# Altium PCB CH32V307V-R2-1v1.PcbDoc (part 3 of 3)
Units mm, origin at the board's own origin, x right, y up, seen from the top; angles counter-clockwise.
Board outline 80 x 115 mm, 2 copper layers (Top Layer, Bottom Layer); 122 components, 134 nets, 559 pads, 721 vias.
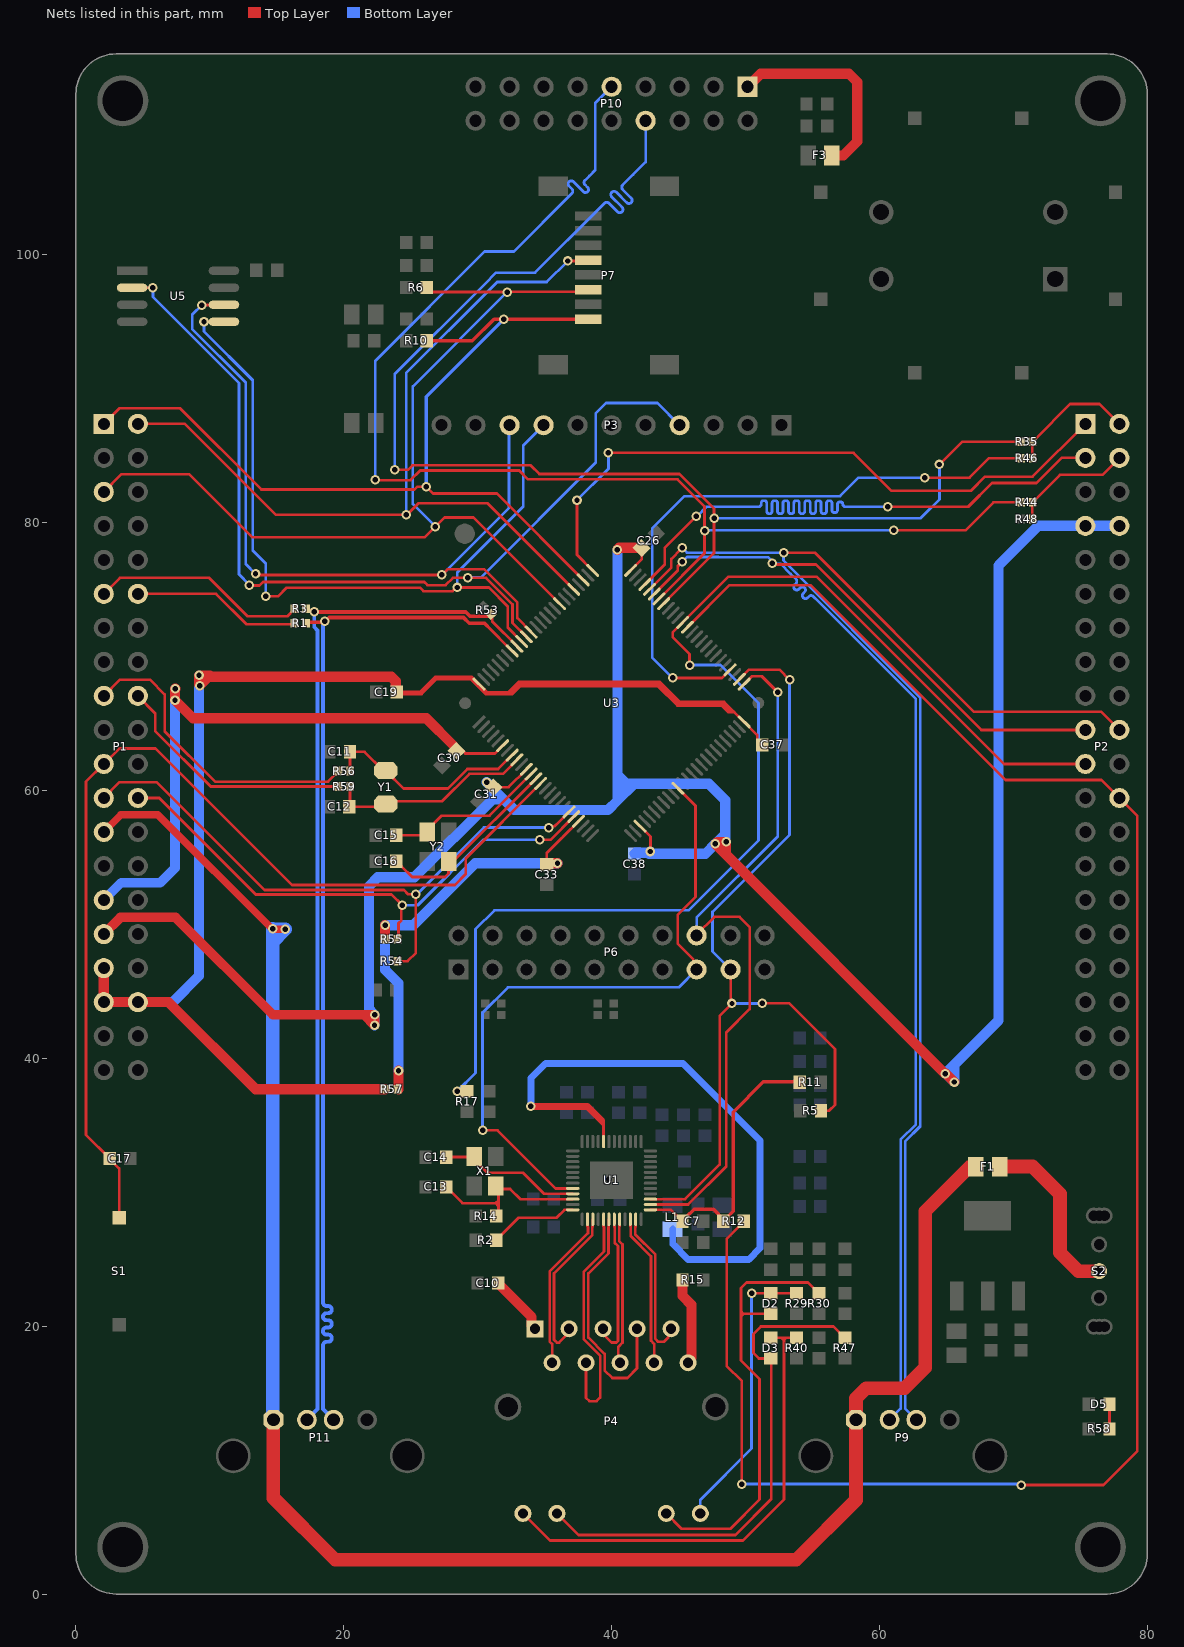
[diagram p3: the nets of this part, all layers, seen from the top]

## Via types
v1: diameter 0.711, hole 0.406, Top Layer to Bottom Layer, tented both sides, 507 vias
v2: diameter 0.61, hole 0.305, Top Layer to Bottom Layer, tented both sides, 214 vias

## Nets (pads, with @x,y where several pads share a name; then routed paths per layer and width w, separated by ;. In a path a pad name is that pad's centre, name@x,y a point inside that pad or via, vN(x,y) a via of type N, cw(c..) or ccw(c..) an arc to the next point about the centre after c; other vN are vias at no path point) (continued)
LED_green_n: D3.K P4.12 R47.1 | length 38.6
  Top Layer w0.203: P4.12@35.915,6.017 37.523,4.409 49.252,4.409 51.923,7.08 51.923,17.589 50.991,17.589 50.587,17.992 50.587,19.42 51.144,19.976 56.554,19.976 57.402,19.129 R47.1@57.427,19.129
LED_green_p: D3.A P4.11 R40.1 | length 36.1
  Top Layer w0.203: P4.11@33.375,6.017 35.395,3.997 49.814,3.997 52.873,7.056 52.873,18.932 ; D3.A@51.886,19.129 52.676,19.129 ; R40.1@53.817,19.129 53.027,19.129 ; 52.676,19.129 52.873,19.129 ; 52.676,19.129 52.873,18.932 ; 52.873,18.932 52.873,18.975 ; 52.873,18.975 52.873,19.129 ; 52.873,18.975 53.027,19.129 ; 52.873,19.129 53.027,19.129
LED_yellow_n: D2.K P4.13 R30.1 | length 33.9
  Top Layer w0.203: P4.13@44.085,6.017 45.228,4.875 48.869,4.875 51.049,7.055 51.049,16.059 49.658,17.451 49.658,20.716 ; D2.K@51.886,20.921 49.863,20.921 ; R30.1@55.495,22.461 55.47,22.461 54.67,23.261 50.079,23.261 49.658,22.84 49.658,21.127 ; 49.658,20.716 49.658,20.921 ; 49.658,20.716 49.863,20.921 ; 49.658,20.921 49.658,21.127 ; 49.658,20.921 49.863,20.921 ; 49.658,21.127 49.863,20.921
LED_yellow_p: D2.A P4.14 R29.2 | length 21.4
  Top Layer w0.203: v1(50.453,22.449) 51.392,22.449 51.404,22.461 R29.2@53.817,22.461
  Bottom Layer w0.203: P4.14@46.625,6.017 46.625,7.04 50.453,10.867 v1(50.453,22.449)
MAC_125M: P6.15 U1.44 U3.36 | length 49.8
  Top Layer w0.203: v1(30.368,34.627) 31.479,34.627 35.82,30.286 U1.44@37.1,30.286 ; U3.36@44.95,60.168 46.258,58.859 46.258,52.043 44.942,50.726 44.942,48.551 46.102,47.391 46.102,46.883 P6.15@46.35,46.634
  Bottom Layer w0.203: v1(30.368,34.627) 30.368,43.406 32.262,45.3 45.016,45.3 P6.15@46.35,46.634
MDI0_n: P4.3 U1.3 | length 12
  Top Layer w0.203: P4.3@36.823,19.807 36.823,19.519 36.075,18.771 35.925,18.771 35.793,18.903 35.704,18.992 35.704,23.949 38.565,26.811 38.565,27.411 38.597,27.442 38.597,27.983 U1.3@38.6,27.986
MDI0_p: P4.2 U1.2 | length 12
  Top Layer w0.203: P4.2@35.553,17.267 35.559,17.273 35.559,18.67 35.373,18.856 35.373,24.086 38.235,26.948 38.235,27.411 38.203,27.442 38.203,27.983 U1.2@38.2,27.986
MDI1_n: P4.7 U1.6 | length 18.3
  Top Layer w0.203: U1.6@39.8,27.986 39.797,27.983 39.797,27.442 39.765,27.411 39.765,25.436 38.26,23.931 38.26,19.152 39.479,17.932 39.479,16.701 40.052,16.129 41.173,16.129 41.903,16.859 P4.7@41.903,19.807
MDI1_p: P4.4 U1.5 | length 18.3
  Top Layer w0.203: P4.4@38.093,17.267 38.093,14.645 38.336,14.402 38.87,14.402 39.149,14.681 39.149,17.796 37.93,19.015 37.93,24.068 39.435,25.573 39.435,27.411 39.403,27.442 39.403,27.983 U1.5@39.4,27.986
MDI2_n: P4.6 U1.8 | length 11
  Top Layer w0.203: U1.8@40.6,27.986 40.597,27.983 40.597,27.442 40.565,27.411 40.565,26.356 40.813,26.108 40.813,18.768 40.499,18.454 40.499,17.402 P4.6@40.633,17.267
MDI2_p: P4.5 U1.7 | length 11
  Top Layer w0.203: P4.5@39.363,19.807 39.567,19.603 39.567,19.204 39.989,18.782 40.36,18.782 40.483,18.905 40.483,25.971 40.235,26.219 40.235,27.411 40.203,27.442 40.203,27.983 U1.7@40.2,27.986
MDI3_n: P4.9 U1.11 | length 11.5
  Top Layer w0.203: U1.11@41.8,27.986 41.797,27.983 41.797,27.442 41.765,27.411 41.765,26.852 43.264,25.353 43.264,19.052 43.48,18.836 43.902,18.836 44.239,19.173 44.239,19.603 P4.9@44.443,19.807
MDI3_p: P4.8 U1.10 | length 11.5
  Top Layer w0.203: U1.10@41.4,27.986 41.403,27.983 41.403,27.442 41.435,27.411 41.435,26.715 42.934,25.216 42.934,18.915 43.179,18.67 43.179,17.273 P4.8@43.173,17.267
NetC10_1: C10.1 P4.1 | length 4.5
  Top Layer w0.762: C10.1@31.526,23.212 31.526,23.187 34.029,20.684 34.029,20.061 P4.1@34.283,19.807
NetD5_K: D5.K R58.2 | length 1.8
  Top Layer w0.254: R58.2@77.178,12.329 D5.K@77.178,14.168
NetF1_2: F1.2 S2.1 | length 13.2
  Top Layer w1.016: F1.2@68.971,31.92 71.435,31.92 73.485,29.87 73.485,25.486 74.865,24.106 S2.1@76.403,24.106
NetF3_1: F3.1 P10.1 | length 15.6
  Top Layer w0.762: P10.1@50.16,112.547 51.125,113.512 57.724,113.512 58.335,112.901 58.335,108.457 57.297,107.419 F3.1@56.447,107.419
NetP2_2: P2.2 R35.1 R46.1 | length 9.5
  Top Layer w0.203: R46.1@71.416,84.811 R35.1@71.416,86.037 71.416,86.062 71.615,86.26 71.64,86.26 74.243,88.864 76.435,88.864 P2.2@77.919,87.38
NetP2_4: P2.4 R44.1 R48.1 | length 9.1
  Top Layer w0.203: R48.1@71.416,80.265 R44.1@71.416,81.518 71.416,81.543 71.615,81.741 71.64,81.741 73.468,83.569 76.648,83.569 P2.4@77.919,84.84
NetP4_10: P4.10 R15.1 | length 6.6
  Top Layer w0.762: R15.1@45.292,23.455 45.292,22.268 45.959,21.602 45.959,17.651 45.713,17.405 P4.10@45.713,17.267
NRST: C17.2 P1.21 S1.2 U3.14 | length 76.6
  Top Layer w0.203: S1.2@3.233,28.106 3.233,31.77 2.515,32.488 C17.2@2.515,32.513 2.515,32.538 0.762,34.291 0.762,60.661 P1.21@2.081,61.98 3.242,63.141 5.941,63.141 16.145,52.937 28.301,52.937 29.112,53.748 29.112,54.937 U3.14@34.697,60.522
PB6: P1.11 R3.2 | length 16.2
  Top Layer w0.203: P1.11@2.081,74.68 3.277,75.876 9.959,75.876 12.823,73.012 15.787,73.012 R3.2@16.336,73.562
PB7: P1.12 R1.2 | length 12.7
  Top Layer w0.203: P1.12@4.621,74.68 10.469,74.68 12.737,72.413 R1.2@16.336,72.413
PC14: P1.17 R56.2 | length 23.2
  Top Layer w0.203: P1.17@2.081,67.06 3.299,68.278 5.527,68.278 6.628,67.177 6.628,64.424 10.395,60.657 18.823,60.657 19.394,61.228 19.419,61.228 19.618,61.427 R56.2@19.618,61.452
PC15: P1.18 R59.2 | length 18.6
  Top Layer w0.203: P1.18@4.621,67.06 5.917,65.765 5.917,64.447 10.071,60.293 R59.2@19.618,60.293
PHY2_int: P2.21 R17.2 U3.64 | length 95.5
  Top Layer w0.203: v1(28.473,37.541) 28.73,37.541 28.847,37.425 29.205,37.783 R17.2@29.205,37.589 ; v1(45.822,69.367) 45.822,70.191 44.562,71.451 44.562,71.801 U3.64@45.303,72.542 48.729,75.968 55.306,75.968 69.294,61.98 P2.21@75.379,61.98
  Bottom Layer w0.203: v1(28.473,37.541) 29.837,38.905 29.837,49.643 31.246,51.052 45.734,51.052 50.961,56.279 50.961,66.533 48.127,69.367 v1(45.822,69.367)
PHY2_reset: P2.24 R12.2 U3.63 | length 140.7
  Top Layer w0.203: U3.63@45.657,72.189 48.801,75.333 54.855,75.333 69.41,60.777 76.582,60.777 P2.24@77.919,59.44 79.243,58.117 79.243,10.651 76.725,8.134 v1(70.582,8.134) ; v1(49.721,8.213) 49.721,15.908 48.592,17.038 48.592,26.524 49.875,27.808 R12.2@49.875,27.833
  Bottom Layer w0.203: v1(49.721,8.213) 70.502,8.213 v1(70.582,8.134)
PHYRSTB: C7.2 R11.1 R12.1 U1.13 | length 20.8
  Top Layer w0.178: U1.13@42.9,28.686 44.439,28.686 44.891,28.234 44.916,28.234 C7.2@45.292,27.858
  Top Layer w0.254: C7.2@45.292,27.858 45.63,28.196 46.173,28.738 47.608,28.738 48.424,27.921 48.424,27.946 48.673,28.196 48.698,28.196 49.08,28.577 49.08,35.989 51.333,38.242 54.035,38.242 R11.1@54.061,38.216
PVIN: F1.1 P1.25 P9.1 P11.1 | length 140.2
  Top Layer w0.559: P1.25@2.081,56.9 3.366,58.185 6.121,58.185 14.644,49.663 v1(14.685,49.663) 14.697,49.651 15.618,49.651 v1(15.629,49.639)
  Top Layer w1.016: P11.1@14.747,13.012 14.747,7.174 19.365,2.556 53.795,2.556 58.253,7.014 P9.1@58.253,13.012 58.253,14.614 59.015,15.377 61.887,15.377 63.42,16.91 63.42,28.58 66.743,31.903 F1.1@67.191,31.903
  Bottom Layer w1.016: P11.1@14.747,13.012 14.685,13.074 14.685,48.695 ; 14.685,48.695 v1(15.629,49.639) 14.709,49.639 v1(14.685,49.663) 14.685,48.695
REGOUT: L1.1 U1.32 | length 48.2
  Top Layer w0.203: 38.898,35.489 39.397,34.991 39.397,33.79 U1.32@39.4,33.786 39.4,35.21 ; 39.224,35.534 39.4,35.357 39.4,35.21 ; 39.243,35.367 39.4,35.21
  Top Layer w0.508: v1(33.978,36.408) 38.201,36.408 39.243,35.367
  Bottom Layer w0.508: v1(33.978,36.408) 33.978,38.523 35.077,39.622 45.322,39.622 51.088,33.857 51.088,25.824 50.243,24.98 45.715,24.98 44.571,26.123 L1.1@44.571,27.252
RGMII_MDC: P6.16 U1.14 U3.51 | length 54.2
  Top Layer w0.203: U1.14@42.9,29.086 45.718,29.086 48.561,31.929 48.561,41.939 50.31,43.689 50.31,49.797 49.545,50.562 47.68,50.562 46.35,49.232 P6.16@46.35,49.174 ; U3.51@49.899,67.946 49.906,67.946 50.49,68.53 51.21,68.53 v1(52.407,67.334)
  Bottom Layer w0.203: P6.16@46.35,49.174 46.35,50.515 52.407,56.572 v1(52.407,67.334)
RGMII_MDIO: P6.17 R5.2 U1.15 U3.52 | length 64.7
  Top Layer w0.203: U1.15@42.9,29.486 45.488,29.486 48.066,32.064 48.066,43.173 v1(48.989,44.096) 48.89,44.195 P6.17@48.89,46.634 ; U3.52@49.546,68.3 50.271,69.025 52.526,69.025 v1(53.288,68.263) ; v1(51.255,44.122) 53.243,44.122 56.682,40.684 56.682,36.527 56.241,36.086 R5.2@55.635,36.086
  Bottom Layer w0.203: P6.17@48.89,46.634 47.54,47.985 47.54,50.935 53.288,56.684 v1(53.288,68.263) ; v1(48.989,44.096) v1@51.255,44.096
RSET: R2.1 U1.48 | length 6.7
  Top Layer w0.203: R2.1@31.389,26.416 31.389,26.441 33.043,28.094 35.877,28.094 36.469,28.686 U1.48@37.1,28.686
SDIO_CLK: P1.2 P7.5 U3.80 | length 66.1
  Top Layer w0.203: P1.2@4.621,87.38 8.131,87.38 14.917,80.594 v1(24.663,80.594) 24.74,80.594 25.593,81.447 30.741,81.447 U3.80@37.172,75.017 ; v1(36.731,99.538) 38.231,99.538 38.272,99.579 P7.5@38.25,99.601
  Bottom Layer w0.203: v1(24.663,80.594) 24.663,91.041 24.663,91.16 30.901,97.398 31.464,97.961 35.154,97.961 v1(36.731,99.538)
SDIO_CMD: P1.5 P7.3 R6.1 U3.83 | length 73.2
  Top Layer w0.203: P1.5@2.081,82.3 3.398,83.617 8.453,83.617 13.172,78.899 26.043,78.899 v1(26.848,79.704) 27.524,80.381 29.687,80.381 U3.83@36.111,73.957 ; R6.1@26.192,97.549 26.524,97.217 v1(32.196,97.217) 32.228,97.249 38.098,97.249 P7.3@38.25,97.401
  Bottom Layer w0.203: v1(26.848,79.704) 25.158,81.393 25.158,90.178 v1(32.196,97.217)
SDIO_D2: P1.1 P7.1 R10.1 U3.78 | length 74.2
  Top Layer w0.203: P1.1@2.081,87.38 3.245,88.544 7.779,88.544 13.848,82.475 25.277,82.475 25.478,82.677 v1(26.162,82.677) 26.668,82.171 31.432,82.171 U3.78@37.87,75.733
  Top Layer w0.254: R10.1@26.192,93.583 29.602,93.583 31.219,95.201 36.775,95.201 ; v1(31.954,95.195) 36.769,95.195 36.775,95.201 ; P7.1@38.25,95.201 36.775,95.201
  Bottom Layer w0.254: v1(26.162,82.677) 26.162,89.404 v1(31.954,95.195)
SPI3_MISO: P3.4 U3.90 U5.2 | length 74.6
  Top Layer w0.203: U5.2@4.196,97.541 v1@5.751,97.542 ; v1(12.938,75.311) 13.709,75.311 13.963,75.566 26.013,75.566 26.247,75.331 27.603,75.331 28.149,75.878 v1(29.27,75.878) 30.626,75.878 32.603,73.901 32.603,72.515 U3.90@33.636,71.482
  Bottom Layer w0.203: v1(5.752,97.543) 5.752,96.856 12.173,90.435 12.173,76.148 12.938,75.383 v1(12.938,75.311) ; v1(29.27,75.878) 29.289,75.897 30.233,75.897 38.811,84.474 38.811,88.157 39.586,88.933 43.422,88.933 P3.4@45.08,87.274
SPI3_MOSI: P3.8 U3.91 U5.5 | length 60.9
  Top Layer w0.203: v1(9.564,95.017) 9.572,95.009 11.047,95.009 U5.5@11.054,95.001 ; v1(14.173,74.498) 15.097,74.498 15.743,75.144 25.692,75.144 25.952,74.884 28.13,74.884 28.405,75.159 30.842,75.159 32.247,73.754 32.247,72.164 U3.91@33.282,71.128
  Bottom Layer w0.203: v1(9.564,95.017) 9.564,94.27 13.204,90.631 13.204,77.929 14.173,76.96 v1(14.173,74.498) ; v1(28.473,75.159) 28.473,76.272 33.4,81.199 33.4,85.755 P3.8@34.92,87.274
SPI3_SCK: P3.9 U3.89 U5.6 | length 60.6
  Top Layer w0.203: v1(9.409,96.247) 9.421,96.259 11.042,96.259 U5.6@11.054,96.271 ; v1(13.411,76.175) 13.487,76.098 v1(27.33,76.098) ; v1@27.357,76.125 27.745,76.513 30.494,76.513 32.958,74.049 32.958,72.867 U3.89@33.99,71.835
  Bottom Layer w0.203: v1(9.409,96.247) 8.683,95.521 8.683,94.453 12.681,90.454 12.681,76.905 v1(13.411,76.175) ; v1(27.33,76.098) 32.339,81.107 32.339,87.234 P3.9@32.38,87.274
SWDCK: P2.1 U3.76 | length 49.3
  Top Layer w0.203: v1(37.416,81.681) 37.416,77.601 U3.76@38.586,76.431 ; v1(39.762,85.215) 58.055,85.215 60.892,82.378 66.82,82.378 67.871,83.429 71.428,83.429 P2.1@75.379,87.38
  Bottom Layer w0.203: v1@37.275,81.539 39.762,84.026 v1(39.762,85.215)
SWDIO: P2.3 U3.72 | length 49.3
  Top Layer w0.203: U3.72@42.475,75.371 43.962,76.858 43.962,78.12 v1(46.305,80.464) ; v1(60.634,81.185) 66.631,81.185 68.398,82.952 71.714,82.952 73.602,84.84 P2.3@75.379,84.84
  Bottom Layer w0.203: v1(46.305,80.464) 46.367,80.464 47.088,81.185 50.887,81.185 50.989,81.185 ccw(c50.989,81.368) 51.172,81.368 51.172,81.461 cw(c51.355,81.461) 51.355,81.644 51.395,81.644 cw(c51.395,81.461) 51.578,81.461 51.578,80.849 ccw(c51.761,80.849) 51.761,80.666 51.802,80.666 ccw(c51.802,80.849) 51.985,80.849 51.985,81.461 cw(c52.167,81.461) 52.167,81.644 52.208,81.644 cw(c52.208,81.461) 52.391,81.461 52.391,80.849 ccw(c52.574,80.849) 52.574,80.666 52.615,80.666 ccw(c52.615,80.849) 52.797,80.849 52.797,81.461 cw(c52.98,81.461) 52.98,81.644 53.021,81.644 cw(c53.021,81.461) 53.204,81.461 53.204,80.849 ccw(c53.387,80.849) 53.387,80.666 53.427,80.666 ccw(c53.427,80.849) 53.61,80.849 53.61,81.461 cw(c53.793,81.461) 53.793,81.644 53.834,81.644 cw(c53.834,81.461) 54.017,81.461 54.017,80.849 ccw(c54.199,80.849) 54.199,80.666 54.24,80.666 ccw(c54.24,80.849) 54.423,80.849 54.423,81.461 cw(c54.606,81.461) 54.606,81.644 54.647,81.644 cw(c54.647,81.461) 54.829,81.461 54.829,80.849 ccw(c55.012,80.849) 55.012,80.666 55.053,80.666 ccw(c55.053,80.849) 55.236,80.849 55.236,81.461 cw(c55.419,81.461) 55.419,81.644 55.459,81.644 cw(c55.459,81.461) 55.642,81.461 55.642,80.849 ccw(c55.825,80.849) 55.825,80.666 55.866,80.666 ccw(c55.866,80.849) 56.049,80.849 56.049,81.461 cw(c56.231,81.461) 56.231,81.644 56.272,81.644 cw(c56.272,81.461) 56.455,81.461 56.455,80.932 ccw(c56.638,80.932) 56.638,80.749 56.679,80.749 ccw(c56.679,80.932) 56.861,80.932 56.861,81.368 cw(c57.044,81.368) 57.044,81.55 57.085,81.55 cw(c57.085,81.368) 57.268,81.368 ccw(c57.451,81.368) 57.451,81.185 59.977,81.185 v1(60.634,81.185)
U1_RX/DVP_D1: P10.9 R44.2 U3.69 | length 99.2
  Top Layer w0.203: v1(22.352,83.21) 22.391,83.172 24.994,83.172 25.71,83.887 33.106,83.887 33.758,83.234 44.913,83.234 46.94,81.207 v1(46.94,79.407) 46.94,77.715 U3.69@43.536,74.31 ; v1(61.051,79.425) 66.424,79.425 68.517,81.518 R44.2@70.566,81.518
  Bottom Layer w0.203: v1(22.352,83.21) 22.352,92.084 30.519,100.252 32.697,100.252 36.965,104.52 37.037,104.592 ccw(c36.875,104.753) 37.037,104.915 36.822,105.13 cw(c36.983,105.292) 36.822,105.453 cw(c36.983,105.292) 37.145,105.453 37.885,104.713 ccw(c38.047,104.875) 38.209,105.036 38.007,105.238 cw(c38.168,105.4) 38.007,105.562 38.344,105.899 38.779,106.334 38.779,111.327 P10.9@40,112.547 ; v1(46.94,79.407) 46.967,79.434 v1@61.047,79.434
U1_TX/DVP_D0: P10.8 R35.2 U3.68 | length 101.7
  Top Layer w0.203: v1(23.81,83.94) 24.792,83.94 25.134,84.282 33.962,84.282 34.605,83.639 45.075,83.639 47.652,81.062 v1(47.652,80.336) 47.652,77.72 U3.68@43.889,73.957 ; v1(64.479,84.342) 66.174,86.037 R35.2@70.566,86.037 70.389,86.214 R35.2@70.35,86.174
  Bottom Layer w0.203: v1(23.81,83.94) 23.81,91.096 30.502,97.788 31.383,98.669 34.281,98.669 39.05,103.437 39.463,103.85 cw(c39.633,103.679) 39.804,103.85 40.438,103.216 ccw(c40.609,103.386) 40.78,103.557 40.009,104.328 cw(c40.18,104.498) 40.009,104.669 cw(c40.18,104.498) 40.35,104.669 41.121,103.898 ccw(c41.292,104.069) 41.462,104.24 40.828,104.874 cw(c40.998,105.044) 40.828,105.215 41.613,106 42.54,106.927 P10.8@42.54,110.007 ; v1(47.652,80.336) 63.084,80.336 64.479,81.731 v1(64.479,84.342)
UART1_TX_2: R46.2 U3.54 | length 46
  Top Layer w0.203: v1(44.552,68.402) 48.234,68.402 U3.54@48.839,69.007 ; v1(63.367,83.356) 66.718,83.356 68.173,84.811 R46.2@70.566,84.811
  Bottom Layer w0.203: v1(44.552,68.402) 43.026,69.928 43.026,79.558 45.442,81.975 57.058,81.975 58.439,83.356 v1(63.367,83.356)
USB1D_n: P2.19 P9.2 U3.70 | length 110.1
  Top Layer w0.203: U3.70@43.182,74.664 44.938,76.42 44.938,76.745 45.268,77.075 v1(45.272,77.075) ; v1(52.003,76.951) 52.086,76.868 55.259,76.868 67.607,64.52 P2.19@75.379,64.52
  Bottom Layer w0.203: v1(45.272,77.075) 45.625,77.428 47.956,77.428 47.961,77.422 51.669,77.422 v1@52.071,77.02 ; v1(52.003,76.951) 52.015,76.939 52.607,76.939 53.368,76.179 53.763,75.784 cw(c53.601,75.622) 53.763,75.46 53.662,75.36 ccw(c53.824,75.198) 53.985,75.036 54.086,75.137 cw(c54.248,74.975) 54.409,75.137 cw(c54.248,74.975) 54.409,74.814 54.309,74.713 ccw(c54.47,74.551) 54.309,74.39 ccw(c54.47,74.551) 54.632,74.39 54.733,74.491 cw(c54.894,74.329) 55.056,74.491 55.441,74.105 62.719,66.828 62.719,35.068 61.588,33.937 61.588,13.847 P9.2@60.753,13.012
USB1D_p: P2.20 P9.3 U3.71 | length 112.1
  Top Layer w0.203: U3.71@42.828,75.017 44.463,76.652 44.463,77.295 45.195,78.026 v1@45.236,78.026 ; v1(52.853,77.752) 55.197,77.752 67.076,65.873 76.566,65.873 P2.20@77.919,64.52
  Bottom Layer w0.203: v1(45.272,78.111) 45.625,77.758 48.092,77.758 48.098,77.752 v1(52.853,77.752) 52.841,77.74 52.841,77.172 63.049,66.964 63.049,34.931 61.918,33.8 61.918,13.847 P9.3@62.753,13.012
USB2D_n: P11.2 R3.1 R53.1 U3.92 | length 78.3
  Top Layer w0.203: 30.594,72.967 R53.1@31.064,72.967 ; R53.1@31.087,73.024 31.087,72.617 U3.92@32.929,70.775
  Top Layer w0.279: R3.1@17.186,73.486 R3.1@17.259,73.412 ; R3.1@17.264,73.408 R3.1@17.259,73.412 ; R53.1@31.064,72.967 31.026,73.006 29.432,73.006 29.107,73.331 17.807,73.331 v1(17.805,73.33) 17.723,73.412 R3.1@17.259,73.412
  Bottom Layer w0.279: P11.2@17.247,13.012 18.044,13.809 18.044,71.951 17.805,72.189 v1(17.805,73.33)
USB2D_p: P11.3 R1.1 U3.93 | length 79.3
  Top Layer w0.203: 30.488,72.509 30.507,72.49 ; 30.696,72.3 U3.93@32.575,70.421
  Top Layer w0.279: R1.1@17.186,72.489 17.255,72.558 18.506,72.558 v1(18.576,72.628) ; v1@18.459,72.628 v1(18.576,72.628) ; 30.696,72.3 30.507,72.49 29.374,72.49 28.939,72.925 18.914,72.925 18.617,72.628 v1(18.576,72.628)
  Bottom Layer w0.279: v1(18.576,72.628) 18.493,72.545 18.493,72.332 18.45,72.289 18.45,71.08 18.45,22.67 18.45,21.772 ccw(c18.717,21.772) 18.717,21.505 18.839,21.505 cw(c18.839,21.239) 18.839,20.972 18.717,20.972 ccw(c18.717,20.705) 18.717,20.438 18.839,20.438 cw(c18.839,20.172) 18.839,19.905 18.717,19.905 ccw(c18.717,19.638) 18.717,19.372 18.839,19.372 cw(c18.839,19.105) 18.839,18.838 18.717,18.838 ccw(c18.717,18.572) 18.45,18.572 18.45,17.898 18.45,13.809 P11.3@19.247,13.012
VBAT: C30.2 P1.29 U3.6 | length 46.5
  Top Layer w0.203: C30.2@28.423,62.965 28.886,62.965 29.082,62.769 31.287,62.769 U3.6@31.868,63.35
  Top Layer w0.762: v1(7.417,67.6) 7.4,67.582 v1(7.4,66.734) 8.743,65.39 26.164,65.39 C30.2@28.193,63.362
  Bottom Layer w0.711: P1.29@2.081,51.82 3.389,53.128 6.316,53.128 7.4,54.212 v1(7.4,66.734) v1@7.4,67.6
VDD: C26.2 C31.1 C38.2 P1.31 P2.7 P2.8 U3.11 U3.28 U3.75 | length 194.2
  Top Layer w0.203: v1(30.666,60.609) 31.03,60.246 C31.1@31.19,60.246 31.208,60.228 31.722,60.228 31.74,60.246 32.299,60.246 U3.11@33.636,61.582 ; U3.75@41.414,76.431 42.244,77.261 42.244,77.554 42.262,77.571 42.262,78.085 C26.2@42.244,78.103 ; U3.28@42.121,57.34 42.904,56.557 42.904,55.468 v1(42.879,55.443)
  Top Layer w0.711: P1.31@2.081,49.28 3.328,50.527 7.445,50.527 14.701,43.27 21.492,43.27 ; v1(47.748,56.012) 47.906,56.171 v1(48.548,56.171) 48.548,55.211 49.009,54.75 ; 21.492,43.27 v1(22.297,42.465) 22.303,42.472 v1(22.303,43.27) 21.492,43.27
  Top Layer w0.762: v1(40.434,77.977) 40.577,78.121 42.107,78.121 42.143,78.085 C26.2@42.262,78.085 ; v1(47.748,56.012) 48.548,55.211 64.899,38.86 v1(64.921,38.86) 64.966,38.86 v1(65.595,38.231)
  Bottom Layer w0.762: v1(22.297,42.465) v1@22.297,43.277 ; v1(22.303,43.27) v1@22.297,43.277 ; v1(30.666,60.609) 31.091,60.184 ; 40.434,63.044 40.434,61.171 40.437,61.168 ; v1(40.434,77.977) 40.434,63.912 40.437,63.909 40.437,61.168 ; C38.2@41.718,55.272 41.802,55.356 42.791,55.356 v1(42.879,55.443) ; v1@42.791,55.272 47.008,55.272 v1(47.748,56.012) v1@47.906,56.171 ; P2.8@77.919,79.76 P2.7@75.379,79.76 71.852,79.76 68.898,76.806 68.898,42.837 65.595,39.534 ; v1@22.297,43.277 21.883,43.691 21.883,52.857 22.542,53.517 25.274,53.517 31.077,59.32 ; 31.077,59.32 31.937,59.32 31.946,59.329 ; 31.077,59.32 31.516,59.759 ; 31.077,59.32 31.077,60.17 31.091,60.184 ; 31.091,60.184 31.516,59.759 ; 31.516,59.759 31.946,59.329 ; 31.946,59.329 32.722,58.553 39.74,58.553 40.437,59.25 ; 40.437,59.25 41.687,60.5 ; 40.437,59.25 40.437,60.5 ; 40.437,60.5 41.105,60.5 ; 40.437,60.5 40.437,61.168 ; 40.437,61.168 41.105,60.5 ; 41.105,60.5 41.687,60.5 ; 41.687,60.5 47.264,60.5 48.487,59.277 48.487,56.752 ; v1@47.906,56.171 48.487,56.752 ; v1@47.906,56.171 v1(48.548,56.171) 48.487,56.231 48.487,56.752 ; 65.595,39.534 v1(65.595,38.231) 64.966,38.86 v1(64.921,38.86) 65.595,39.534
VDDA: C33.1 R55.1 R57.2 U3.22 | length 35
  Top Layer w0.203: C33.1@35.157,54.494 35.157,55.325 U3.22@37.525,57.693 37.518,57.693 36.415,56.59
  Top Layer w0.762: R55.1@23.083,48.975 v1(23.083,49.93) ; R57.2@24.089,37.695 v1(24.089,39.08) ; C33.1@35.157,54.494 35.228,54.564 v1(35.959,54.564)
  Bottom Layer w0.762: v1(24.089,39.08) 24.089,45.608 23.083,46.615 v1(23.083,49.93) 25.182,49.93 29.817,54.564 v1(35.959,54.564)
VIO: C19.1 C37.2 P1.33 P1.35 P1.36 R57.1 U3.50 U3.100 | length 150.2
  Top Layer w0.178: U3.50@49.899,65.118 50.868,64.149 50.868,63.779 C37.2@51.244,63.403
  Top Layer w0.203: U3.50@49.899,65.118 49.153,65.864 ; 25.549,67.21 25.82,67.21 26.938,68.328 29.458,68.328 30.471,67.316 ; 25.549,67.21 24.094,67.21 C19.1@23.956,67.348 23.987,67.379 25.718,67.379 ; 25.549,67.21 25.718,67.379 ; 25.718,67.379 26.837,68.499 29.548,68.499 U3.100@30.101,67.946 30.731,67.316 ; 30.471,67.316 30.586,67.201 32.421,67.201 ; 30.471,67.316 30.731,67.316 ; 30.731,67.316 32.27,67.316 33.06,68.106 43.599,68.106 45.094,66.611 48.406,66.611 49.153,65.864 ; 32.421,67.201 32.608,67.201 33.212,67.805 43.438,67.805 44.913,66.33 48.222,66.33 48.687,65.864 48.907,65.864 ; 32.421,67.201 33.143,67.923 43.528,67.923 44.993,66.458 48.313,66.458 48.907,65.864 ; 48.907,65.864 49.153,65.864
  Top Layer w0.762: P1.33@2.081,46.74 P1.35@2.081,44.2 P1.36@4.621,44.2 6.914,44.2 13.423,37.691 R57.1@23.073,37.691 ; C19.1@23.956,67.378 23.877,67.457 23.877,68.159 23.542,68.493 9.891,68.493 ; 9.891,68.493 9.26,67.863 9.193,67.93 v1(9.193,68.594) 9.991,68.594 9.891,68.493
  Bottom Layer w0.762: P1.35@2.081,44.2 P1.36@4.621,44.2 7.232,44.2 9.193,46.161 v1(9.193,68.594)
  other v1: 9.26,67.837
VREF+: P1.24 R55.2 U3.21 | length 41.3
  Top Layer w0.203: P1.24@4.621,59.44 6.223,59.44 13.43,52.234 23.572,52.234 v1(24.378,51.428) 24.3,51.351 24.3,50.303 24.084,50.086 24.084,48.958 R55.2@24.017,48.891 ; v1(34.634,56.317) 35.442,56.317 U3.21@37.172,58.047
  Bottom Layer w0.203: v1(24.378,51.428) 25.523,51.428 30.412,56.317 v1(34.634,56.317)
VREF-: P1.23 R54.2 U3.20 | length 47.3
  Top Layer w0.203: P1.23@2.081,59.44 3.264,60.623 6.016,60.623 14.075,52.564 24.484,52.564 24.795,52.253 v1(25.384,52.253) 25.384,47.868 24.775,47.26 R54.2@23.937,47.26 ; v1(35.3,57.232) 35.398,57.329 35.747,57.329 36.07,57.652 ; 36.07,57.652 U3.20@36.818,58.4
  Bottom Layer w0.203: v1(25.384,52.253) 25.485,52.253 30.464,57.232 35.25,57.232 v1@35.275,57.258
X32KI: C11.2 R56.1 U3.8 Y1.1 | length 15.7
  Top Layer w0.203: R56.1@20.468,61.452 C11.2@20.468,62.889 21.558,62.889 22.973,61.474 Y1.1@23.137,61.474 24.468,60.143 27.77,60.143 29.226,61.6 31.532,61.6 U3.8@32.575,62.643
X32KO: C12.2 R59.1 U3.9 Y1.2 | length 15.6
  Top Layer w0.203: R59.1@20.468,60.293 20.468,58.826 C12.2@20.427,58.786 23.021,58.786 Y1.2@23.137,58.67 ; Y1.2@22.962,58.945 23.214,59.196 27.326,59.196 29.374,61.244 31.884,61.244 U3.9@32.929,62.289
XI: C15.2 U3.12 Y2.1 | length 12.2
  Top Layer w0.203: C15.2@23.811,56.78 C15.2@23.937,56.655 25.979,56.655 Y2.1@26.227,56.903 26.227,57.028 27.316,58.117 30.878,58.117 U3.12@33.99,61.229
XO: C16.2 U3.13 Y2.3 | length 14.5
  Top Layer w0.203: C16.2@23.937,54.719 23.937,54.694 24.3,54.33 24.325,54.33 25.115,53.541 27.56,53.541 27.827,53.807 Y2.3@27.827,54.703 28.171,54.703 U3.13@34.343,60.875
XTAL1: C13.2 R14.1 U1.46 X1.3 | length 13
  Top Layer w0.203: C13.2@27.643,30.404 27.643,30.379 28.006,30.015 28.031,30.015 28.86,29.187 31.321,29.187 ; R14.1@31.496,28.265 31.55,28.319 31.55,28.958 ; 31.539,29.187 31.343,29.187 ; X1.3@31.55,30.339 X1.3@31.55,30.239 ; U1.46@37.1,29.486 33.18,29.486 32.428,30.239 X1.3@31.55,30.239 ; 31.321,29.187 31.343,29.187 ; 31.321,29.187 31.55,28.958 ; 31.343,29.187 31.55,29.393 ; 31.55,28.958 31.55,29.393 ; 31.55,29.393 X1.3@31.55,30.239
XTAL2: C14.2 U1.45 X1.1 | length 10.7
  Top Layer w0.203: C14.2@27.672,32.525 27.786,32.639 29.649,32.639 29.649,32.539 30.733,31.456 33.384,31.456 34.953,29.886 U1.45@37.1,29.886
pads on no net: ?.0 S2.0 S2.3 S7.2 S7.4 U1.33 U1.38 U1.39 U1.40 U1.41 U1.42 U1.43 U3.0 U3.73 U4.2@68.081,28.254

## Polygon pours and split planes (outlines as drawn)
GND on Bottom Layer "GND" (hatched 90Degree grid 0.203 track 0.203, remove dead copper, pour order 1): -0.212,-0.498 -0.212,115.574 0.092,115.878 0.244,115.726 80.262,115.726 80.262,-0.345
GND on Top Layer "GND" (hatched 90Degree grid 0.203 track 0.203, remove dead copper, pour order 0): 0.092,115.27 80.262,115.27 80.414,115.117 80.414,-0.498 0.092,-0.498 -0.06,-0.345

## Keep-outs
Keep-Out Layer:
  lines w0.254: 0,3 ccw(c3,3) 3,0 77,0 ccw(c77,3) 80,3 80,112 ccw(c77,112) 77,115 3,115 ccw(c3,112) 0,112 0,3

## Other copper
Top Layer:
  pour cut-out: 35.457,28.844 43.851,28.844 46.743,25.952 46.743,16.736 43.12,13.113 35.608,13.113 33.11,15.611 33.11,25.587

## Silkscreen, mask and mechanical layers (free items; w line width, h text height)
Top Overlay:
  region: 74.634,90.057 76.07,90.057 75.346,88.949
  region: 60.182,90.057 61.619,90.057 60.895,88.949
  region: 7.321,90.057 8.757,90.057 8.033,88.949
  region: 1.336,90.057 2.772,90.057 2.049,88.949
  lines w0.152: 10.93,37.537 10.93,88.16 ; 63.281,79.041 63.281,88.282 ; 69.712,38.662 69.712,77.746
  text "CH32V307V-R2-1v1" at 4.438,104.871 h1.02
  text "SWCK" at 59.07,87.055 h0.89
  text "TXD" at 64.245,87.055 h0.89
  text "PC10" at 6.744,86.956 h0.89
  text "PC12" at 12.257,86.956 h0.89
  text "GND" at 26.844,85.637 h0.89 r270
  text "3V3" at 29.383,85.637 h0.89 r270
  text "SPI3_SCK" at 32.22,85.637 h0.89 r270
  text "SPI3_MOSI" at 34.759,85.637 h0.89 r270
  text "PA15" at 37.003,85.637 h0.89 r270
  text "PE2" at 39.543,85.637 h0.89 r270
  text "PE3" at 42.083,85.637 h0.89 r270
  text "SPI3_MISO" at 44.919,85.637 h0.89 r270
  text "PE4" at 47.162,85.637 h0.89 r270
  text "PE5" at 49.702,85.637 h0.89 r270
  text "PE6" at 52.242,85.637 h0.89 r270
  text "SWIO" at 59.683,84.524 h0.89
  text "RXD" at 64.152,84.524 h0.89
  text "PD0" at 7.117,84.411 h0.89
  text "PD1" at 12.82,84.411 h0.89
  text "GND" at 60.094,81.993 h0.89
  text "GND" at 64.059,81.993 h0.89
  text "PD2" at 7.117,81.866 h0.89
  text "PD3" at 12.629,81.866 h0.89
  text "VDD" at 60.187,79.461 h0.89
  text "VDD" at 64.152,79.461 h0.89
  text "PD4" at 7.095,79.321 h0.89
  text "PD5" at 12.629,79.321 h0.89
  text "5V" at 67.134,76.81 h0.89
  text "5V" at 71.486,76.81 h0.89
  text "PD6" at 7.138,76.776 h0.89
  text "PD7" at 12.629,76.776 h0.89
  text "GND" at 66.334,74.273 h0.89
  text "GND" at 70.686,74.273 h0.89
  text "PB6" at 7.138,74.231 h0.89
  text "PB7" at 12.629,74.231 h0.89
  text "GND" at 66.334,71.735 h0.89
  text "GND" at 70.686,71.735 h0.89
  text "PE0" at 7.163,71.686 h0.89
  text "PE1" at 12.866,71.686 h0.89
  text "GND" at 66.334,69.198 h0.89
  text "GND" at 70.686,69.198 h0.89
  text "GND" at 7.07,69.077 h0.89
  text "GND" at 12.582,69.077 h0.89
  text "GND" at 66.334,66.66 h0.89
  text "GND" at 70.686,66.66 h0.89
  text "PC14" at 6.723,66.545 h0.89
  text "PC15" at 12.257,66.545 h0.89
  text "PA11" at 66.063,64.081 h0.89
  text "PA12" at 70.603,64.081 h0.89
  text "GND" at 7.07,64.013 h0.89
  text "GND" at 12.582,64.013 h0.89
  text "PC7" at 66.334,61.539 h0.89
  text "GND" at 70.686,61.539 h0.89
  text "NRST" at 6.698,61.481 h0.89
  text "GND" at 12.582,61.481 h0.89
  text "PD15" at 65.776,58.998 h0.89
  text "PC6" at 70.603,58.998 h0.89
  text "VREF-" at 6.357,58.948 h0.89
  text "VREF+" at 11.869,58.948 h0.89
  text "PD13" at 65.776,56.456 h0.89
  text "PD14" at 70.603,56.456 h0.89
  text "PVIN" at 7.023,56.416 h0.89
  text "GND" at 12.582,56.416 h0.89
  text "PD11" at 66.156,53.915 h0.89
  text "PD12" at 70.603,53.915 h0.89
  text "GND" at 7.07,53.884 h0.89
  text "GND" at 12.582,53.884 h0.89
  text "PB12" at 45.91,53.814 h0.89 r270
  text "PC4" at 40.851,53.297 h0.89 r270
  text "GND" at 28.1,53.255 h0.89 r270
  text "PC3" at 33.111,53.255 h0.89 r270
  text "PA3" at 38.321,53.255 h0.89 r270
  text "PA8" at 48.44,53.255 h0.89 r270
  text "GND" at 50.97,53.255 h0.89 r270
  text "PB0" at 43.381,53.162 h0.89 r270
  text "PC1" at 30.705,52.874 h0.89 r270
  text "PA1" at 36.109,52.874 h0.89 r270
  text "PD9" at 66.47,51.374 h0.89
  text "PD10" at 70.603,51.374 h0.89
  text "VBAT" at 6.674,51.352 h0.89
  text "3V3" at 12.629,51.352 h0.89
  text "VDD" at 7.117,48.819 h0.89
  text "3V3" at 12.629,48.819 h0.89
  text "PE15" at 65.869,48.832 h0.89
  text "PD8" at 70.603,48.832 h0.89
  text "VIO" at 7.377,46.287 h0.89
  text "3V3" at 12.629,46.287 h0.89
  text "PE13" at 65.869,46.291 h0.89
  text "PE14" at 70.603,46.291 h0.89
  text "GND" at 28.18,44.945 h0.89 r270
  text "PC2" at 33.238,44.945 h0.89 r270
  text "PA0" at 35.902,44.945 h0.89 r270
  text "PA7" at 41.084,44.945 h0.89 r270
  text "PC5" at 43.395,44.945 h0.89 r270
  text "PB1" at 45.638,44.945 h0.89 r270
  text "PB13" at 48.356,44.945 h0.89 r270
  text "GND" at 51.157,44.945 h0.89 r270
  text "VIO" at 7.377,43.755 h0.89
  text "VIO" at 12.889,43.755 h0.89
  text "PE11" at 66.25,43.75 h0.89
  text "PE12" at 70.603,43.75 h0.89
  text "BOOT0" at 6.279,41.222 h0.89
  text "BOOT1" at 11.981,41.222 h0.89
  text "PE9" at 66.563,41.208 h0.89
  text "PE10" at 70.603,41.208 h0.89
  text "GND" at 7.07,38.69 h0.89
  text "GND" at 12.582,38.69 h0.89
  text "PE7" at 66.52,38.667 h0.89
  text "PE8" at 70.603,38.667 h0.89
  text "RST" at 5.845,25.353 h0.89 r270
  text "OFF" at 73.442,24.656 h0.89 r90
  text "ON" at 73.442,21.08 h0.89 r90
  text "HS" at 16.557,15.806 h2.29
  text "FS" at 60.324,15.579 h2.29
Bottom Overlay:
  region: 27.001,102.407 27.001,100.971 28.109,101.695
  region: 27.001,110.642 27.001,109.206 28.109,109.929
  lines w0.152: 27.815,103.588 51.712,103.588
  lines w0.203: 20.627,65.857 59.171,65.857 ; 20.627,70.539 59.171,70.539 ; 20.627,75.22 59.171,75.22 ; 34.026,61.351 34.026,77.768 ; 47.426,61.351 47.426,77.768 ; 20.627,61.176 59.171,61.176 59.171,77.768 20.627,77.768 20.627,61.176
  text "HSYNC" at 45.631,108.348 h0.89 r90
  text "VSYNC" at 48.175,108.301 h0.89 r90
  text "RESET" at 43.086,108.026 h0.89 r90
  text "GND" at 30.362,106.723 h0.89 r90
  text "3V3" at 50.72,106.629 h0.89 r90
  text "D7" at 32.907,105.838 h0.89 r90
  text "D5" at 35.452,105.838 h0.89 r90
  text "D3" at 37.996,105.838 h0.89 r90
  text "D1" at 40.541,105.457 h0.89 r90
  text "PWDN" at 30.362,102.967 h0.89 r90
  text "PCLK" at 32.907,102.967 h0.89 r90
  text "D6" at 35.452,102.967 h0.89 r90
  text "D4" at 37.996,102.967 h0.89 r90
  text "D2" at 40.541,102.967 h0.89 r90
  text "D0" at 43.086,102.967 h0.89 r90
  text "I2C2_SDA" at 45.631,102.967 h0.89 r90
  text "I2C2_SCL" at 48.175,102.967 h0.89 r90
  text "GND" at 50.72,102.967 h0.89 r90
  text "第二用法" at 30.933,75.822 h2.03
  text "默认" at 42.6,75.824 h2.03
  text "DVP_D5" at 30.799,73.002 h2.03
  text "USBHS_n" at 44.986,72.27 h2.03
  text "PB6" at 54.882,72.287 h2.03
  text "(需要焊接R53)" at 33.181,70.895 h2.03
  text "PB15" at 29.537,68.772 h2.03
  text "PA9" at 42.529,68.772 h2.03
  text "USART1_TX" at 58.449,67.165 h2.03
  text "(需要焊接R46)" at 33.181,66.328 h2.03
  text "(默认焊接R35)" at 46.691,66.328 h2.03
  text "PA8" at 29.018,64.019 h2.03
  text "PA10" at 43.032,64.019 h2.03
  text "USART1_RX" at 58.549,62.604 h2.03
  text "(需要焊接R48)" at 33.178,61.643 h2.03
  text "(默认焊接R44)" at 46.691,61.643 h2.03
  text "PC0" at 31.602,45.164 h0.89 r90
  text "PA2" at 39.184,45.164 h0.89 r90
Top Solder:
  drawing of 3656 lines, arcs and shapes, not listed
  text "http://wch.cn" at 9.587,19.849 h2.5
Mechanical 1:
  lines w0.254: 77,0 ccw(c77,3) 80,3 ; 77,115 cw(c77,112) 80,112 ; 77.001,0 3,0 cw(c3,3) 0,3 0,112 cw(c3,112) 3,115 77.007,115 ; 80,2.999 80,112.007

## Text inside footprints (layer, text, board x,y; h text height)
P9: Top Overlay "D-" at 59.777,9.964 h1.52; Top Overlay "D+" at 62.063,9.964 h1.52; Top Overlay "V" at 57.745,9.964 h1.52; Top Overlay "G" at 64.857,9.964 h1.52
P11: Top Overlay "D-" at 16.271,9.964 h1.52; Top Overlay "D+" at 18.557,9.964 h1.52; Top Overlay "V" at 14.239,9.964 h1.52; Top Overlay "G" at 21.351,9.964 h1.52